# KiCad board SparkFun_Thing_Plus_ESP32-S3_panelized.kicad_pcb (continued)
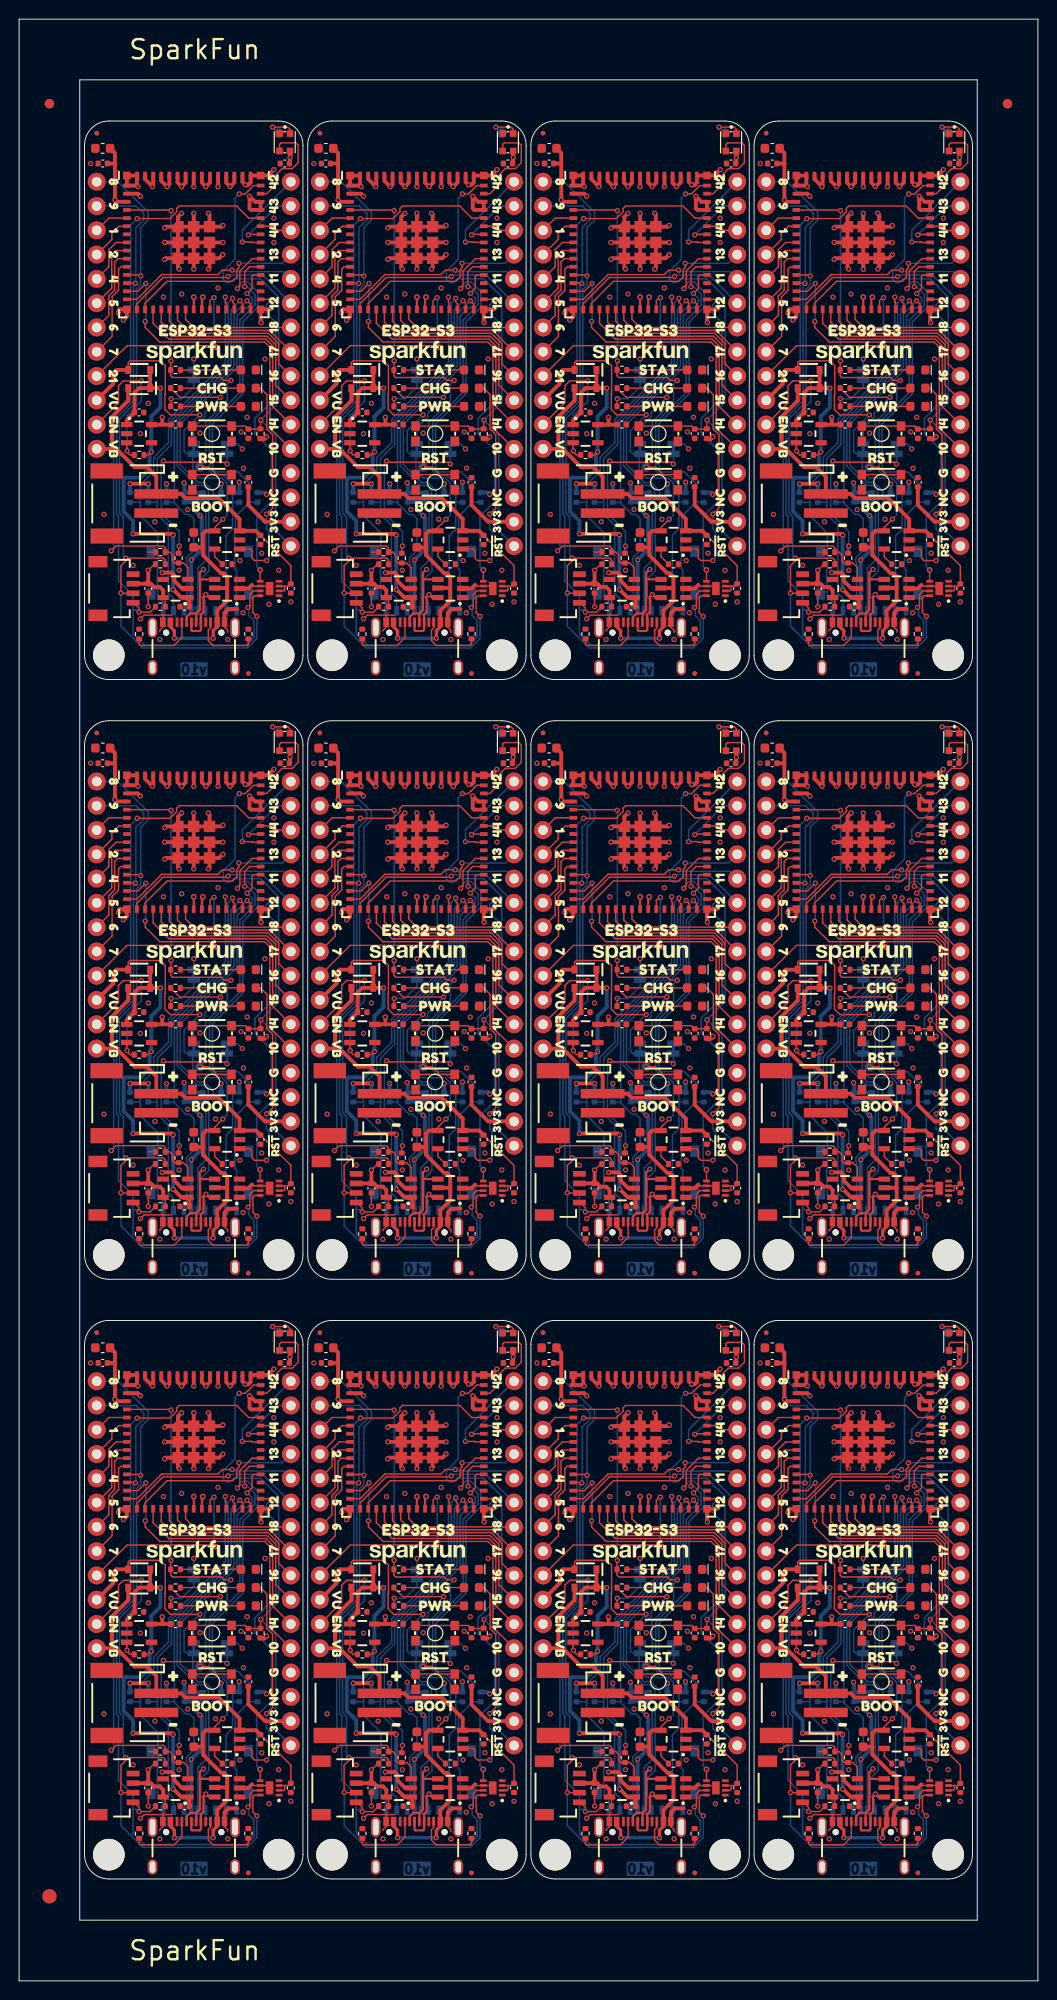
[diagram p0: board, top side]
## Routing (per net, layer and track width the routed paths; a pad name or vN(x,y) marks a point on that pad's centre or on a via; arc(x,y) is an arc through that point) (continued)
ESP20/D+: length 476.6
  Top w0.229: v2(42.59,113.4) 42.49,113.29 U3#11.24 ; U3#8.24 65.85,176.02 v2(65.95,176.12) ; U2#5.6 89.94,144.69 v1(89.63,145.01) 89.38,144.76 89.38,143.18 89.11,142.92 J1#10.B6 89.11,141.31 89,141.2 88.2,141.2 88.11,141.29 J1#10.A6 ; v2(89.31,176.12) 89.21,176.02 U3#9.24 ; v2(65.95,113.4) 65.85,113.29 U3#7.24 ; J1#11.A6 88.11,15.83 88.2,15.74 89,15.74 89.11,15.85 J1#11.B6 89.11,17.46 89.38,17.72 89.38,19.3 v1(89.63,19.55) 89.94,19.24 U2#10.6 ; U3#2.24 19.13,176.02 v2(19.23,176.12) ; U3#3.24 65.85,50.56 v2(65.95,50.67) ; J1#9.A6 88.11,78.56 88.2,78.47 89,78.47 89.11,78.59 J1#9.B6 89.11,80.19 89.38,80.45 89.38,82.03 v1(89.63,82.28) 89.94,81.97 U2#11.6 ; J1#2.A6 64.75,78.56 64.84,78.47 65.63,78.47 65.75,78.59 J1#2.B6 65.75,80.19 66.02,80.45 66.02,82.03 v1(66.27,82.28) 66.59,81.97 U2#9.6 ; v2(19.23,50.67) 19.13,50.56 U3#12.24 ; U3.24 89.21,50.56 v2(89.31,50.67) ; J1#7.A6 64.75,15.83 64.84,15.74 65.63,15.74 65.75,15.85 J1#7.B6 65.75,17.46 66.02,17.72 66.02,19.3 v1(66.27,19.55) 66.59,19.24 U2#6.6 ; J1#8.A6 64.75,141.29 64.84,141.2 65.63,141.2 65.75,141.31 J1#8.B6 65.75,142.92 66.02,143.18 66.02,144.76 v1(66.27,145.01) 66.59,144.69 U2#3.6 ; v2(19.23,113.4) 19.13,113.29 U3#5.24 ; U3#6.24 89.21,113.29 v2(89.31,113.4) ; v2(42.59,176.12) 42.49,176.02 U3#4.24 ; U2#2.6 19.86,81.97 v1(19.55,82.28) 19.3,82.03 19.3,80.45 19.03,80.19 J1.B6 19.03,78.59 18.92,78.47 18.12,78.47 18.03,78.56 J1.A6 ; U2.6 19.86,144.69 v1(19.55,145.01) 19.3,144.76 19.3,143.18 19.03,142.92 J1#3.B6 19.03,141.31 18.92,141.2 18.12,141.2 18.03,141.29 J1#3.A6 ; U2#8.6 43.22,144.69 v1(42.91,145.01) 42.66,144.76 42.66,143.18 42.39,142.92 J1#6.B6 42.39,141.31 42.28,141.2 41.48,141.2 41.39,141.29 J1#6.A6 ; U2#4.6 43.22,19.24 v1(42.91,19.55) 42.66,19.3 42.66,17.72 42.39,17.46 J1#4.B6 42.39,15.85 42.28,15.74 41.48,15.74 41.39,15.83 J1#4.A6 ; J1#5.A6 41.39,78.56 41.48,78.47 42.28,78.47 42.39,78.59 J1#5.B6 42.39,80.19 42.66,80.45 42.66,82.03 v1(42.91,82.28) 43.22,81.97 U2#7.6 ; U2#12.6 19.86,19.24 v1(19.55,19.55) 19.3,19.3 19.3,17.72 19.03,17.46 J1#12.B6 19.03,15.85 18.92,15.74 18.12,15.74 18.03,15.83 J1#12.A6 ; U3#10.24 42.49,50.56 v2(42.59,50.67)
  In1.Cu - GND w0.229: v1(19.55,145.01) 19.87,145.33 19.87,175.49 v2(19.23,176.12) ; v1(42.91,145.01) 43.23,145.33 43.23,175.49 v2(42.59,176.12) ; v2(89.31,176.12) 89.95,175.49 89.95,145.33 v1(89.63,145.01) ; v1(66.27,19.55) 66.59,19.87 66.59,50.03 v2(65.95,50.67) ; v2(89.31,50.67) 89.95,50.03 89.95,19.87 v1(89.63,19.55) ; v2(19.23,50.67) 19.87,50.03 19.87,19.87 v1(19.55,19.55) ; v2(89.31,113.4) 89.95,112.76 89.95,82.6 v1(89.63,82.28) ; v2(42.59,113.4) 43.23,112.76 43.23,82.6 v1(42.91,82.28) ; v1(66.27,82.28) 66.59,82.6 66.59,112.76 v2(65.95,113.4) ; v1(66.27,145.01) 66.59,145.33 66.59,175.49 v2(65.95,176.12) ; v1(42.91,19.55) 43.23,19.87 43.23,50.03 v2(42.59,50.67) ; v1(19.55,82.28) 19.87,82.6 19.87,112.76 v2(19.23,113.4)
ESP21: length 246.4
  Top w0.152: v1(43.76,176.07) 43.65,176.07 43.34,175.76 U3#4.25 ; U3#10.25 43.34,50.3 43.65,50.61 v1(43.76,50.61) ; U3#5.25 19.98,113.03 20.29,113.34 v1(20.4,113.34) ; v1(90.48,50.61) 90.37,50.61 90.06,50.3 U3.25 ; v1(20.4,176.07) 20.29,176.07 19.98,175.76 U3#2.25 ; v1(67.12,50.61) 67.01,50.61 66.7,50.3 U3#3.25 ; v2(43.93,170.89) 43.77,171.05 34.66,171.05 U10#6.9 ; U10#4.9 11.3,171.05 20.41,171.05 v2(20.57,170.89) ; U3#11.25 43.34,113.03 43.65,113.34 v1(43.76,113.34) ; U10#12.9 11.3,45.59 20.41,45.59 v2(20.57,45.43) ; v2(67.29,108.16) 67.13,108.31 58.01,108.31 U10#8.9 ; U10#2.9 58.01,171.05 67.13,171.05 v2(67.29,170.89) ; U3#12.25 19.98,50.3 20.29,50.61 v1(20.4,50.61) ; U3#9.25 90.06,175.76 90.37,176.07 v1(90.48,176.07) ; v1(90.48,113.34) 90.37,113.34 90.06,113.03 U3#6.25 ; v2(90.65,45.43) 90.49,45.59 81.38,45.59 U10#10.9 ; v1(67.12,113.34) 67.01,113.34 66.7,113.03 U3#7.25 ; v2(43.93,45.43) 43.77,45.59 34.66,45.59 U10#3.9 ; v2(20.57,108.16) 20.41,108.31 11.3,108.31 U10.9 ; v2(90.65,170.89) 90.49,171.05 81.38,171.05 U10#9.9 ; v1(67.12,176.07) 67.01,176.07 66.7,175.76 U3#8.25 ; v2(90.65,108.16) 90.49,108.31 81.38,108.31 U10#11.9 ; U10#5.9 34.66,108.31 43.77,108.31 v2(43.93,108.16) ; U10#7.9 58.01,45.59 67.13,45.59 v2(67.29,45.43)
  Bottom w0.152: v2(90.65,108.16) 90.48,108.33 v1(90.48,113.34) ; v2(20.57,108.16) 20.4,108.33 v1(20.4,113.34) ; v2(67.29,108.16) 67.12,108.33 v1(67.12,113.34) ; v2(20.57,45.43) 20.4,45.6 v1(20.4,50.61) ; v1(20.4,176.07) 20.4,171.06 v2(20.57,170.89) ; v1(67.12,50.61) 67.12,45.6 v2(67.29,45.43) ; v2(43.93,108.16) 43.76,108.33 v1(43.76,113.34) ; v1(67.12,176.07) 67.12,171.06 v2(67.29,170.89) ; v2(90.65,170.89) 90.48,171.06 v1(90.48,176.07) ; v2(90.65,45.43) 90.48,45.6 v1(90.48,50.61) ; v2(43.93,170.89) 43.76,171.06 v1(43.76,176.07) ; v2(43.93,45.43) 43.76,45.6 v1(43.76,50.61)
ESP33/SDIO3: length 465.9
  Top w0.152: v1(22.34,176) 22.34,175.62 22.53,175.43 U3#2.28 ; v1(69.06,113.27) 69.06,112.89 69.25,112.7 U3#7.28 ; U3#12.28 22.53,49.97 22.34,50.16 v1(22.34,50.54) ; v1(45.7,50.54) 45.7,50.16 45.89,49.97 U3#10.28 ; U3#9.28 92.61,175.43 92.42,175.62 v1(92.42,176) ; U3#6.28 92.61,112.7 92.42,112.89 v1(92.42,113.27) ; v1(22.34,113.27) 22.34,112.89 22.53,112.7 U3#5.28 ; v1(69.06,176) 69.06,175.62 69.25,175.43 U3#8.28 ; v1(45.7,113.27) 45.7,112.89 45.89,112.7 U3#11.28 ; U3#3.28 69.25,49.97 69.06,50.16 v1(69.06,50.54) ; v1(45.7,176) 45.7,175.62 45.89,175.43 U3#4.28 ; U3.28 92.61,49.97 92.42,50.16 v1(92.42,50.54)
  Bottom w0.152: 61.19,29.2 61.19,27.93 62.33,26.79 62.33,19.68 62.88,19.12 62.88,17.86 ; 61.19,29.2 61.19,29.2 R6#6.2 ; 61.19,29.2 61.19,33.77 62.66,35.25 62.66,37.74 68.61,43.68 68.61,50.08 v1(69.06,50.54) ; 14.47,29.2 14.47,29.2 R6#12.2 ; 14.47,29.2 14.47,27.93 15.61,26.79 15.61,19.68 16.17,19.12 16.17,17.86 ; 14.47,29.2 14.47,33.77 15.94,35.25 15.94,37.74 21.89,43.68 21.89,50.08 v1(22.34,50.54) ; R6#8.2 84.55,29.2 84.55,29.2 ; 84.55,154.66 84.55,159.23 86.02,160.71 86.02,163.2 91.97,169.14 91.97,175.54 v1(92.42,176) ; 84.55,154.66 84.55,153.39 85.69,152.25 85.69,145.14 86.25,144.59 J2#4.2 ; 84.55,154.66 84.55,154.66 R6#11.2 ; v1(69.06,176) 68.61,175.54 68.61,169.14 62.66,163.2 62.66,160.71 61.19,159.23 61.19,154.66 ; J2#9.2 39.53,144.59 38.97,145.14 38.97,152.25 37.83,153.39 37.83,154.66 ; 61.19,91.93 61.19,96.5 62.66,97.98 62.66,100.47 68.61,106.41 68.61,112.81 v1(69.06,113.27) ; 61.19,91.93 61.19,90.66 62.33,89.52 62.33,82.41 62.88,81.86 J2#5.2 ; 61.19,91.93 61.19,91.93 R6#7.2 ; J2#2.2 16.17,144.59 15.61,145.14 15.61,152.25 14.47,153.39 14.47,154.66 ; v1(92.42,113.27) 91.97,112.81 91.97,106.41 86.02,100.47 86.02,97.98 84.55,96.5 84.55,91.93 ; J2.2 16.17,81.86 15.61,82.41 15.61,89.52 14.47,90.66 14.47,91.93 ; 37.83,154.66 37.83,154.66 R6#5.2 ; 37.83,154.66 37.83,159.23 39.3,160.71 39.3,163.2 45.25,169.14 45.25,175.54 v1(45.7,176) ; 84.55,29.2 84.55,33.77 86.02,35.25 86.02,37.74 91.97,43.68 91.97,50.08 v1(92.42,50.54) ; 84.55,29.2 84.55,27.93 85.69,26.79 85.69,19.68 86.25,19.12 86.25,17.86 ; v1(45.7,113.27) 45.25,112.81 45.25,106.41 39.3,100.47 39.3,97.98 37.83,96.5 37.83,91.93 ; 37.83,91.93 37.83,91.93 R6#4.2 ; 37.83,91.93 37.83,90.66 38.97,89.52 38.97,82.41 39.53,81.86 J2#10.2 ; 61.19,154.66 61.19,154.66 R6#10.2 ; 61.19,154.66 61.19,153.39 62.33,152.25 62.33,145.14 62.88,144.59 J2#6.2 ; 37.83,29.2 37.83,33.77 39.3,35.25 39.3,37.74 45.25,43.68 45.25,50.08 v1(45.7,50.54) ; 37.83,29.2 37.83,27.93 38.97,26.79 38.97,19.68 39.53,19.12 39.53,17.86 ; 37.83,29.2 37.83,29.2 R6#3.2 ; v1(22.34,176) 21.89,175.54 21.89,169.14 15.94,163.2 15.94,160.71 14.47,159.23 14.47,154.66 ; 84.55,91.93 84.55,91.93 R6#9.2 ; 84.55,91.93 84.55,90.66 85.69,89.52 85.69,82.41 86.25,81.86 J2#8.2 ; R6#2.2 14.47,154.66 14.47,154.66 ; v1(22.34,113.27) 21.89,112.81 21.89,106.41 15.94,100.47 15.94,97.98 14.47,96.5 14.47,91.93 ; R6.2 14.47,91.93 14.47,91.93
ESP34/SDIO_CMD: length 464
  Top w0.152: v1(23.11,113.01) 23.38,112.74 U3#5.29 ; v1(46.47,175.74) 46.74,175.47 U3#4.29 ; U3#2.29 23.38,175.47 v1(23.11,175.74) ; v1(23.11,50.28) 23.38,50.01 U3#12.29 ; v1(93.19,175.74) 93.46,175.47 U3#9.29 ; v1(93.19,50.28) 93.46,50.01 U3.29 ; U3#8.29 70.1,175.47 v1(69.83,175.74) ; U3#10.29 46.74,50.01 v1(46.47,50.28) ; U3#3.29 70.1,50.01 v1(69.83,50.28) ; v1(69.83,113.01) 70.1,112.74 U3#7.29 ; v1(46.47,113.01) 46.74,112.74 U3#11.29 ; v1(93.19,113.01) 93.46,112.74 U3#6.29
  Bottom w0.152: 62.97,91.93 62.97,91.85 64.15,90.66 64.56,90.66 65,90.22 65,86.88 64.23,86.11 64.23,85.69 64.3,85.61 64.3,81.64 63.99,81.33 63.99,80.59 ; 62.97,91.93 62.97,91.93 R1#7.2 ; 62.97,91.93 62.97,100.34 68.91,106.28 68.91,112.1 v1(69.83,113.01) ; 86.33,154.66 86.33,163.07 92.27,169.01 92.27,174.83 v1(93.19,175.74) ; 86.33,154.66 86.33,154.58 87.51,153.39 87.92,153.39 88.36,152.95 88.36,149.61 87.59,148.84 87.59,148.42 87.66,148.34 87.66,144.38 87.34,144.06 J2#4.3 ; 86.33,154.66 86.33,154.66 R1#8.2 ; 39.61,154.66 39.61,163.07 45.55,169.01 45.55,174.83 v1(46.47,175.74) ; 39.61,154.66 39.61,154.66 R1#5.2 ; 39.61,154.66 39.61,154.58 40.79,153.39 41.2,153.39 41.64,152.95 41.64,149.61 40.87,148.84 40.87,148.42 40.94,148.34 40.94,144.38 40.62,144.06 J2#9.3 ; v1(23.11,113.01) 22.19,112.1 22.19,106.28 16.25,100.34 16.25,91.93 ; 86.33,29.2 86.33,29.12 87.51,27.93 87.92,27.93 88.36,27.49 88.36,24.15 87.59,23.38 87.59,22.96 87.66,22.88 87.66,18.91 87.34,18.6 87.34,17.86 ; 86.33,29.2 86.33,37.61 92.27,43.55 92.27,49.37 v1(93.19,50.28) ; 86.33,29.2 86.33,29.2 R1#10.2 ; R1#6.2 62.97,29.2 62.97,29.2 ; 16.25,29.2 16.25,29.12 17.43,27.93 17.84,27.93 18.28,27.49 18.28,24.15 17.51,23.38 17.51,22.96 17.58,22.88 17.58,18.91 17.27,18.6 17.27,17.86 ; 16.25,29.2 16.25,37.61 22.19,43.55 22.19,49.37 v1(23.11,50.28) ; 16.25,29.2 16.25,29.2 R1#12.2 ; 62.97,154.66 62.97,163.07 68.91,169.01 68.91,174.83 v1(69.83,175.74) ; 62.97,154.66 62.97,154.58 64.15,153.39 64.56,153.39 65,152.95 65,149.61 64.23,148.84 64.23,148.42 64.3,148.34 64.3,144.38 63.99,144.06 63.99,143.32 ; 62.97,154.66 62.97,154.66 R1#9.2 ; 86.33,91.93 86.33,91.85 87.51,90.66 87.92,90.66 88.36,90.22 88.36,86.88 87.59,86.11 87.59,85.69 87.66,85.61 87.66,81.64 87.34,81.33 J2#8.3 ; 86.33,91.93 86.33,100.34 92.27,106.28 92.27,112.1 v1(93.19,113.01) ; 86.33,91.93 86.33,91.93 R1#11.2 ; 39.61,29.2 39.61,29.12 40.79,27.93 41.2,27.93 41.64,27.49 41.64,24.15 40.87,23.38 40.87,22.96 40.94,22.88 40.94,18.91 40.62,18.6 40.62,17.86 ; 39.61,29.2 39.61,29.2 R1#3.2 ; 39.61,29.2 39.61,37.61 45.55,43.55 45.55,49.37 v1(46.47,50.28) ; 16.25,91.93 16.25,91.93 R1#2.2 ; 16.25,91.93 16.25,91.85 17.43,90.66 17.84,90.66 18.28,90.22 18.28,86.88 17.51,86.11 17.51,85.69 17.58,85.61 17.58,81.64 17.27,81.33 J2.3 ; 16.25,154.66 16.25,163.07 22.19,169.01 22.19,174.83 v1(23.11,175.74) ; 16.25,154.66 16.25,154.66 R1.2 ; 16.25,154.66 16.25,154.58 17.43,153.39 17.84,153.39 18.28,152.95 18.28,149.61 17.51,148.84 17.51,148.42 17.58,148.34 17.58,144.38 17.27,144.06 J2#2.3 ; v1(46.47,113.01) 45.55,112.1 45.55,106.28 39.61,100.34 39.61,91.93 ; R1#4.2 39.61,91.93 39.61,91.93 ; v1(69.83,50.28) 68.91,49.37 68.91,43.55 62.97,37.61 62.97,29.2 ; 62.97,29.2 62.97,29.12 64.15,27.93 64.56,27.93 65,27.49 65,24.15 64.23,23.38 64.23,22.96 64.3,22.88 64.3,18.91 63.99,18.6 63.99,17.86 ; 39.61,91.93 39.61,91.85 40.79,90.66 41.2,90.66 41.64,90.22 41.64,86.88 40.87,86.11 40.87,85.69 40.94,85.61 40.94,81.64 40.62,81.33 J2#10.3
ESP35/~{ALRT}: length 402.5
  Top w0.152: v2(95.31,22.13) U4#7.5 ; v2(71.95,147.59) U4#6.5 ; v2(49.74,50.35) 49.66,50.43 U3#10.31 ; v2(96.46,50.35) 96.38,50.43 U3.31 ; v2(71.95,22.13) U4#9.5 ; v2(73.1,113.08) 73.02,113.16 U3#7.31 ; U3#9.31 96.38,175.89 v2(96.46,175.81) ; v2(25.23,22.13) U4#12.5 ; v2(73.1,175.81) 73.02,175.89 U3#8.31 ; v2(96.46,113.08) 96.38,113.16 U3#6.31 ; U3#3.31 73.02,50.43 v2(73.1,50.35) ; v2(49.74,113.08) 49.66,113.16 U3#11.31 ; v2(95.31,147.59) U4.5 ; v2(26.38,50.35) 26.3,50.43 U3#12.31 ; v2(48.59,147.59) U4#10.5 ; v2(49.74,175.81) 49.66,175.89 U3#4.31 ; v2(26.38,175.81) 26.3,175.89 U3#2.31 ; v2(25.23,84.86) U4#3.5 ; v2(48.59,84.86) U4#4.5 ; v2(48.59,22.13) U4#8.5 ; v2(95.31,84.86) U4#2.5 ; v2(25.23,147.59) U4#11.5 ; v2(71.95,84.86) U4#5.5 ; U3#5.31 26.3,113.16 v2(26.38,113.08)
  Bottom w0.152: v2(49.74,50.35) 49.26,49.86 49.26,48.97 50.23,48.01 50.23,40.15 48.04,37.97 48.04,36.39 49.77,34.66 49.77,29.27 48.24,27.74 48.24,22.47 v2(48.59,22.13) ; v2(73.1,175.81) 72.62,175.32 72.62,174.43 73.59,173.47 73.59,165.61 71.4,163.43 71.4,161.85 73.13,160.12 73.13,154.73 71.6,153.2 71.6,147.93 v2(71.95,147.59) ; v2(25.23,22.13) 24.88,22.47 24.88,27.74 26.41,29.27 26.41,34.66 24.68,36.39 24.68,37.97 26.87,40.15 26.87,48.01 25.9,48.97 25.9,49.86 v2(26.38,50.35) ; v2(48.59,147.59) 48.24,147.93 48.24,153.2 49.77,154.73 49.77,160.12 48.04,161.85 48.04,163.43 50.23,165.61 50.23,173.47 49.26,174.43 49.26,175.32 v2(49.74,175.81) ; v2(95.31,84.86) 94.96,85.2 94.96,90.47 96.49,92 96.49,97.39 94.76,99.12 94.76,100.69 96.95,102.88 96.95,110.74 95.98,111.7 95.98,112.59 v2(96.46,113.08) ; v2(25.23,84.86) 24.88,85.2 24.88,90.47 26.41,92 26.41,97.39 24.68,99.12 24.68,100.69 26.87,102.88 26.87,110.74 25.9,111.7 25.9,112.59 v2(26.38,113.08) ; v2(96.46,50.35) 95.98,49.86 95.98,48.97 96.95,48.01 96.95,40.15 94.76,37.97 94.76,36.39 96.49,34.66 96.49,29.27 94.96,27.74 94.96,22.47 v2(95.31,22.13) ; v2(49.74,113.08) 49.26,112.59 49.26,111.7 50.23,110.74 50.23,102.88 48.04,100.69 48.04,99.12 49.77,97.39 49.77,92 48.24,90.47 48.24,85.2 v2(48.59,84.86) ; v2(26.38,175.81) 25.9,175.32 25.9,174.43 26.87,173.47 26.87,165.61 24.68,163.43 24.68,161.85 26.41,160.12 26.41,154.73 24.88,153.2 24.88,147.93 v2(25.23,147.59) ; v2(73.1,50.35) 72.62,49.86 72.62,48.97 73.59,48.01 73.59,40.15 71.4,37.97 71.4,36.39 73.13,34.66 73.13,29.27 71.6,27.74 71.6,22.47 v2(71.95,22.13) ; v2(73.1,113.08) 72.62,112.59 72.62,111.7 73.59,110.74 73.59,102.88 71.4,100.69 71.4,99.12 73.13,97.39 73.13,92 71.6,90.47 71.6,85.2 v2(71.95,84.86) ; v2(95.31,147.59) 94.96,147.93 94.96,153.2 96.49,154.73 96.49,160.12 94.76,161.85 94.76,163.43 96.95,165.61 96.95,173.47 95.98,174.43 95.98,175.32 v2(96.46,175.81)
ESP38/SDIO_CLK: length 516
  Top w0.152: v1(47.23,176.51) 47.74,177.01 47.74,178.28 47.89,178.44 U3#4.34 ; U3#5.34 24.53,115.71 24.38,115.55 24.38,114.28 v1(23.87,113.78) ; U3#6.34 94.61,115.71 94.46,115.55 94.46,114.28 v1(93.95,113.78) ; U3#11.34 47.89,115.71 47.74,115.55 47.74,114.28 v1(47.23,113.78) ; v1(93.95,176.51) 94.46,177.01 94.46,178.28 94.61,178.44 U3#9.34 ; U3#12.34 24.53,52.98 24.38,52.82 24.38,51.55 v1(23.87,51.05) ; v1(23.87,176.51) 24.38,177.01 24.38,178.28 24.53,178.44 U3#2.34 ; U3#10.34 47.89,52.98 47.74,52.82 47.74,51.55 v1(47.23,51.05) ; U3#7.34 71.25,115.71 71.1,115.55 71.1,114.28 v1(70.59,113.78) ; v1(70.59,51.05) 71.1,51.55 71.1,52.82 71.25,52.98 U3#3.34 ; v1(70.59,176.51) 71.1,177.01 71.1,178.28 71.25,178.44 U3#8.34 ; U3.34 94.61,52.98 94.46,52.82 94.46,51.55 v1(93.95,51.05)
  Bottom w0.152: 67.03,154.66 67.03,154.66 R2#5.2 ; 67.03,154.66 67.03,154.23 66.57,153.77 66.57,147.48 65.74,146.64 65.74,144.82 66.19,144.38 J2#6.5 ; 67.03,154.66 67.03,155.83 66.12,156.74 65.43,156.74 63.58,158.6 63.58,162.82 69.52,168.76 69.52,174.17 70.33,174.98 70.59,174.98 71.1,175.49 71.1,176 v1(70.59,176.51) ; 67.03,29.2 67.03,28.77 66.57,28.31 66.57,22.02 65.74,21.18 65.74,19.36 66.19,18.92 66.19,17.86 ; 67.03,29.2 67.03,30.37 66.12,31.28 65.43,31.28 63.58,33.14 63.58,37.36 69.52,43.3 69.52,48.71 70.33,49.52 70.59,49.52 71.1,50.03 71.1,50.54 v1(70.59,51.05) ; 67.03,29.2 67.03,29.2 R2#3.2 ; 90.39,154.66 90.39,155.83 89.48,156.74 88.79,156.74 86.94,158.6 86.94,162.82 92.88,168.76 92.88,174.17 93.69,174.98 93.95,174.98 94.46,175.49 94.46,176 v1(93.95,176.51) ; 90.39,154.66 90.39,154.23 89.93,153.77 89.93,147.48 89.1,146.64 89.1,144.82 89.54,144.38 J2#4.5 ; 90.39,154.66 90.39,154.66 R2#10.2 ; v1(93.95,113.78) 94.46,113.27 94.46,112.76 93.95,112.25 93.69,112.25 92.88,111.44 92.88,106.03 86.94,100.09 86.94,95.87 88.79,94.01 89.48,94.01 90.39,93.1 90.39,91.93 ; 67.03,91.93 67.03,91.5 66.57,91.04 66.57,84.75 65.74,83.91 65.74,82.09 66.19,81.65 J2#5.5 ; 67.03,91.93 67.03,91.93 R2#4.2 ; 67.03,91.93 67.03,93.1 66.12,94.01 65.43,94.01 63.58,95.87 63.58,100.09 69.52,106.03 69.52,111.44 70.33,112.25 70.59,112.25 71.1,112.76 71.1,113.27 v1(70.59,113.78) ; 19.47,17.86 19.47,18.92 19.02,19.36 19.02,21.18 19.85,22.02 19.85,28.31 20.31,28.77 20.31,29.2 ; v1(47.23,176.51) 47.74,176 47.74,175.49 47.23,174.98 46.97,174.98 46.16,174.17 46.16,168.76 40.22,162.82 40.22,158.6 42.07,156.74 42.76,156.74 43.67,155.83 43.67,154.66 ; 20.31,91.93 20.31,93.1 19.4,94.01 18.71,94.01 16.86,95.87 16.86,100.09 22.8,106.03 22.8,111.44 23.61,112.25 23.87,112.25 24.38,112.76 24.38,113.27 v1(23.87,113.78) ; 20.31,91.93 20.31,91.93 R2#2.2 ; 20.31,91.93 20.31,91.5 19.85,91.04 19.85,84.75 19.02,83.91 19.02,82.09 19.47,81.65 J2.5 ; 43.67,29.2 43.67,28.77 43.21,28.31 43.21,22.02 42.38,21.18 42.38,19.36 42.82,18.92 42.82,17.86 ; 43.67,29.2 43.67,29.2 R2#7.2 ; 43.67,29.2 43.67,30.37 42.76,31.28 42.07,31.28 40.22,33.14 40.22,37.36 46.16,43.3 46.16,48.71 46.97,49.52 47.23,49.52 47.74,50.03 47.74,50.54 v1(47.23,51.05) ; 43.67,154.66 43.67,154.66 R2#9.2 ; 43.67,154.66 43.67,154.23 43.21,153.77 43.21,147.48 42.38,146.64 42.38,144.82 42.82,144.38 J2#9.5 ; 90.39,29.2 90.39,29.2 R2.2 ; 90.39,29.2 90.39,28.77 89.93,28.31 89.93,22.02 89.1,21.18 89.1,19.36 89.54,18.92 89.54,17.86 ; 90.39,29.2 90.39,30.37 89.48,31.28 88.79,31.28 86.94,33.14 86.94,37.36 92.88,43.3 92.88,48.71 93.69,49.52 93.95,49.52 94.46,50.03 94.46,50.54 v1(93.95,51.05) ; 90.39,91.93 90.39,91.93 R2#6.2 ; 90.39,91.93 90.39,91.5 89.93,91.04 89.93,84.75 89.1,83.91 89.1,82.09 89.54,81.65 J2#8.5 ; 20.31,154.66 20.31,154.23 19.85,153.77 19.85,147.48 19.02,146.64 19.02,144.82 19.47,144.38 J2#2.5 ; 20.31,154.66 20.31,155.83 19.4,156.74 18.71,156.74 16.86,158.6 16.86,162.82 22.8,168.76 22.8,174.17 23.61,174.98 23.87,174.98 24.38,175.49 24.38,176 v1(23.87,176.51) ; 20.31,154.66 20.31,154.66 R2#11.2 ; 20.31,29.2 20.31,29.2 R2#12.2 ; 20.31,29.2 20.31,30.37 19.4,31.28 18.71,31.28 16.86,33.14 16.86,37.36 22.8,43.3 22.8,48.71 23.61,49.52 23.87,49.52 24.38,50.03 24.38,50.54 v1(23.87,51.05) ; J2#10.5 42.82,81.65 42.38,82.09 42.38,83.91 43.21,84.75 43.21,91.04 43.67,91.5 43.67,91.93 ; 43.67,91.93 43.67,91.93 R2#8.2 ; 43.67,91.93 43.67,93.1 42.76,94.01 42.07,94.01 40.22,95.87 40.22,100.09 46.16,106.03 46.16,111.44 46.97,112.25 47.23,112.25 47.74,112.76 47.74,113.27 v1(47.23,113.78)
ESP39/SDIO0: length 509.6
  Top w0.152: U3.35 94.19,53.83 93.69,53.33 v1(93.69,51.76) ; v1(46.97,51.76) 46.97,53.33 47.47,53.83 U3#10.35 ; U3#11.35 47.47,116.56 46.97,116.06 v1(46.97,114.49) ; U3#8.35 70.83,179.29 70.33,178.79 v1(70.33,177.22) ; U3#7.35 70.83,116.56 70.33,116.06 v1(70.33,114.49) ; v1(23.61,51.76) 23.61,53.33 24.11,53.83 U3#12.35 ; U3#3.35 70.83,53.83 70.33,53.33 v1(70.33,51.76) ; U3#5.35 24.11,116.56 23.61,116.06 v1(23.61,114.49) ; U3#9.35 94.19,179.29 93.69,178.79 v1(93.69,177.22) ; v1(93.69,114.49) 93.69,116.06 94.19,116.56 U3#6.35 ; v1(23.61,177.22) 23.61,178.79 24.11,179.29 U3#2.35 ; v1(46.97,177.22) 46.97,178.79 47.47,179.29 U3#4.35
  Bottom w0.152: v1(23.61,114.49) 23.88,114.49 24.68,113.68 24.68,112.56 23.11,110.98 23.11,103.44 19.93,100.26 19.93,95.23 20.39,94.78 21.38,94.78 22.34,93.81 22.34,91.93 ; R3#2.2 22.35,91.93 22.34,91.93 ; 45.7,91.93 45.71,91.93 R3#6.2 ; 45.7,91.93 45.7,93.81 44.74,94.78 43.75,94.78 43.29,95.23 43.29,100.26 46.47,103.44 46.47,110.98 48.04,112.56 48.04,113.68 47.24,114.49 v1(46.97,114.49) ; 45.7,91.93 45.7,89.14 45.03,88.46 J2#10.7 ; R3#7.2 69.07,154.66 69.06,154.66 ; 91.75,17.86 91.75,25.73 92.42,26.41 92.42,29.2 ; v1(23.61,177.22) 23.88,177.22 24.68,176.41 24.68,175.29 23.11,173.71 23.11,166.17 19.93,162.99 19.93,157.96 20.39,157.51 21.38,157.51 22.34,156.54 22.34,154.66 ; 22.34,29.2 22.34,26.41 21.67,25.73 21.67,17.86 ; 22.34,29.2 22.35,29.2 R3#12.2 ; 22.34,29.2 22.34,31.08 21.38,32.05 20.39,32.05 19.93,32.5 19.93,37.53 23.11,40.71 23.11,48.25 24.68,49.83 24.68,50.95 23.88,51.76 v1(23.61,51.76) ; 69.06,91.93 69.06,89.14 68.38,88.46 J2#5.7 ; 69.06,91.93 69.07,91.93 R3#5.2 ; 69.06,91.93 69.06,93.81 68.1,94.78 67.11,94.78 66.65,95.23 66.65,100.26 69.83,103.44 69.83,110.98 71.4,112.56 71.4,113.68 70.6,114.49 v1(70.33,114.49) ; v1(46.97,51.76) 47.24,51.76 48.04,50.95 48.04,49.83 46.47,48.25 46.47,40.71 43.29,37.53 43.29,32.5 43.75,32.05 44.74,32.05 45.7,31.08 45.7,29.2 ; 22.34,154.66 22.34,151.87 21.67,151.19 J2#2.7 ; 22.34,154.66 22.35,154.66 R3.2 ; 92.42,29.2 92.43,29.2 R3#8.2 ; 92.42,29.2 92.42,31.08 91.46,32.05 90.47,32.05 90.01,32.5 90.01,37.53 93.19,40.71 93.19,48.25 94.76,49.83 94.76,50.95 93.96,51.76 v1(93.69,51.76) ; 22.34,91.93 22.34,89.14 21.67,88.46 J2.7 ; 92.42,91.93 92.43,91.93 R3#10.2 ; 92.42,91.93 92.42,89.14 91.75,88.46 J2#8.7 ; 92.42,91.93 92.42,93.81 91.46,94.78 90.47,94.78 90.01,95.23 90.01,100.26 93.19,103.44 93.19,110.98 94.76,112.56 94.76,113.68 93.96,114.49 v1(93.69,114.49) ; 69.06,29.2 69.07,29.2 R3#4.2 ; 69.06,29.2 69.06,31.08 68.1,32.05 67.11,32.05 66.65,32.5 66.65,37.53 69.83,40.71 69.83,48.25 71.4,49.83 71.4,50.95 70.6,51.76 v1(70.33,51.76) ; 69.06,29.2 69.06,26.41 68.38,25.73 68.38,17.86 ; 45.7,29.2 45.7,26.41 45.03,25.73 45.03,17.86 ; 45.7,29.2 45.71,29.2 R3#9.2 ; 45.7,154.66 45.7,156.54 44.74,157.51 43.75,157.51 43.29,157.96 43.29,162.99 46.47,166.17 46.47,173.71 48.04,175.29 48.04,176.41 47.24,177.22 v1(46.97,177.22) ; 45.7,154.66 45.71,154.66 R3#3.2 ; 45.7,154.66 45.7,151.87 45.03,151.19 J2#9.7 ; J2#6.7 68.38,151.19 69.06,151.87 69.06,154.66 ; 69.06,154.66 69.06,156.54 68.1,157.51 67.11,157.51 66.65,157.96 66.65,162.99 69.83,166.17 69.83,173.71 71.4,175.29 71.4,176.41 70.6,177.22 v1(70.33,177.22) ; R3#11.2 92.43,154.66 92.42,154.66 ; 92.42,154.66 92.42,151.87 91.75,151.19 J2#4.7 ; 92.42,154.66 92.42,156.54 91.46,157.51 90.47,157.51 90.01,157.96 90.01,162.99 93.19,166.17 93.19,173.71 94.76,175.29 94.76,176.41 93.96,177.22 v1(93.69,177.22)
ESP40/SDIO1: length 569.2
  Top w0.152: U3#2.36 24.39,180.14 23.11,178.86 23.11,177.27 v1(22.85,177.01) ; v1(46.21,177.01) 46.47,177.27 46.47,178.86 47.75,180.14 U3#4.36 ; U3#12.36 24.39,54.68 23.11,53.4 23.11,51.81 v1(22.85,51.55) ; v1(92.93,51.55) 93.19,51.81 93.19,53.4 94.47,54.68 U3.36 ; U3#9.36 94.47,180.14 93.19,178.86 93.19,177.27 v1(92.93,177.01) ; U3#6.36 94.47,117.41 93.19,116.13 93.19,114.54 v1(92.93,114.28) ; v1(22.85,114.28) 23.11,114.54 23.11,116.13 24.39,117.41 U3#5.36 ; v1(46.21,114.28) 46.47,114.54 46.47,116.13 47.75,117.41 U3#11.36 ; v1(46.21,51.55) 46.47,51.81 46.47,53.4 47.75,54.68 U3#10.36 ; U3#7.36 71.11,117.41 69.83,116.13 69.83,114.54 v1(69.57,114.28) ; U3#3.36 71.11,54.68 69.83,53.4 69.83,51.81 v1(69.57,51.55) ; U3#8.36 71.11,180.14 69.83,178.86 69.83,177.27 v1(69.57,177.01)
  Bottom w0.152: 24.12,154.66 22.65,153.19 22.65,151.74 22.6,151.69 22.6,147.68 22.77,147.51 J2#2.8 ; 24.12,154.66 24.12,156.63 22.92,157.84 20.57,157.84 20.24,158.17 20.24,162.84 23.41,166.02 23.41,173.51 24.99,175.08 24.99,176.66 23.92,177.73 23.4,177.73 22.85,177.17 v1(22.85,177.01) ; 24.12,154.66 24.12,154.66 R4.2 ; R4#2.2 24.12,91.93 24.12,91.93 ; 24.12,29.2 22.65,27.73 22.65,26.28 22.6,26.23 22.6,22.22 22.77,22.05 22.77,17.86 ; 24.12,29.2 24.12,31.17 22.92,32.38 20.57,32.38 20.24,32.71 20.24,37.38 23.41,40.56 23.41,48.05 24.99,49.62 24.99,51.2 23.92,52.27 23.4,52.27 22.85,51.71 v1(22.85,51.55) ; 24.12,29.2 24.12,29.2 R4#12.2 ; v1(92.93,177.01) 92.93,177.17 93.48,177.73 94,177.73 95.07,176.66 95.07,175.08 93.49,173.51 93.49,166.02 90.32,162.84 90.32,158.17 90.65,157.84 93,157.84 94.2,156.63 94.2,154.66 ; R4#4.2 47.48,91.93 47.48,91.93 ; J2#10.8 46.12,84.78 45.96,84.95 45.96,88.96 46.01,89.01 46.01,90.46 47.48,91.93 ; J2#8.8 92.84,84.78 92.68,84.95 92.68,88.96 92.73,89.01 92.73,90.46 94.2,91.93 ; 47.48,91.93 47.48,93.9 46.28,95.11 43.93,95.11 43.6,95.44 43.6,100.11 46.77,103.29 46.77,110.78 48.35,112.35 48.35,113.93 47.28,115 46.76,115 46.21,114.44 v1(46.21,114.28) ; v1(92.93,51.55) 92.93,51.71 93.48,52.27 94,52.27 95.07,51.2 95.07,49.62 93.49,48.05 93.49,40.56 90.32,37.38 90.32,32.71 90.65,32.38 93,32.38 94.2,31.17 94.2,29.2 ; 70.84,29.2 70.84,31.17 69.64,32.38 67.29,32.38 66.96,32.71 66.96,37.38 70.13,40.56 70.13,48.05 71.71,49.62 71.71,51.2 70.64,52.27 70.12,52.27 69.57,51.71 v1(69.57,51.55) ; 70.84,29.2 70.84,29.2 R4#5.2 ; 70.84,29.2 69.37,27.73 69.37,26.28 69.32,26.23 69.32,22.22 69.49,22.05 69.49,17.86 ; R4#11.2 94.2,154.66 94.2,154.66 ; 94.2,154.66 92.73,153.19 92.73,151.74 92.68,151.69 92.68,147.68 92.84,147.51 J2#4.8 ; 70.84,154.66 70.84,154.66 R4#7.2 ; 70.84,154.66 69.37,153.19 69.37,151.74 69.32,151.69 69.32,147.68 69.49,147.51 69.49,143.32 ; 70.84,154.66 70.84,156.63 69.64,157.84 67.29,157.84 66.96,158.17 66.96,162.84 70.13,166.02 70.13,173.51 71.71,175.08 71.71,176.66 70.64,177.73 70.12,177.73 69.57,177.17 v1(69.57,177.01) ; 47.48,29.2 46.01,27.73 46.01,26.28 45.96,26.23 45.96,22.22 46.12,22.05 46.12,17.86 ; 47.48,29.2 47.48,31.17 46.28,32.38 43.93,32.38 43.6,32.71 43.6,37.38 46.77,40.56 46.77,48.05 48.35,49.62 48.35,51.2 47.28,52.27 46.76,52.27 46.21,51.71 v1(46.21,51.55) ; 47.48,29.2 47.48,29.2 R4#3.2 ; 24.12,91.93 24.12,93.9 22.92,95.11 20.57,95.11 20.24,95.44 20.24,100.11 23.41,103.29 23.41,110.78 24.99,112.35 24.99,113.93 23.92,115 23.4,115 22.85,114.44 v1(22.85,114.28) ; 24.12,91.93 22.65,90.46 22.65,89.01 22.6,88.96 22.6,84.95 22.77,84.78 J2.8 ; v1(92.93,114.28) 92.93,114.44 93.48,115 94,115 95.07,113.93 95.07,112.35 93.49,110.78 93.49,103.29 90.32,100.11 90.32,95.44 90.65,95.11 93,95.11 94.2,93.9 94.2,91.93 ; J2#9.8 46.12,147.51 45.96,147.68 45.96,151.69 46.01,151.74 46.01,153.19 47.48,154.66 ; 92.84,17.86 92.84,22.05 92.68,22.22 92.68,26.23 92.73,26.28 92.73,27.73 94.2,29.2 ; 70.84,91.93 69.37,90.46 69.37,89.01 69.32,88.96 69.32,84.95 69.49,84.78 69.49,80.59 ; 70.84,91.93 70.84,93.9 69.64,95.11 67.29,95.11 66.96,95.44 66.96,100.11 70.13,103.29 70.13,110.78 71.71,112.35 71.71,113.93 70.64,115 70.12,115 69.57,114.44 v1(69.57,114.28) ; 70.84,91.93 70.84,91.93 R4#6.2 ; 94.2,91.93 94.2,91.93 R4#9.2 ; 47.48,154.66 47.48,156.63 46.28,157.84 43.93,157.84 43.6,158.17 43.6,162.84 46.77,166.02 46.77,173.51 48.35,175.08 48.35,176.66 47.28,177.73 46.76,177.73 46.21,177.17 v1(46.21,177.01) ; 47.48,154.66 47.48,154.66 R4#10.2 ; 94.2,29.2 94.2,29.2 R4#8.2
